# KiCad board B1_panel.kicad_pcb
title: Kleinvoet; date: 2023-07-04; rev: ${PROJECT_REV}; company: Department of Electrical and Electronic Engineering - Stellenbosch University; note: Digital Signal Processing Laboratory; note: Author: CM Geldenhuys <cmgeldenhuys@sun.ac.za>; note: Project: Kleinvoet; note: License: CERN-OHL-S-2.0
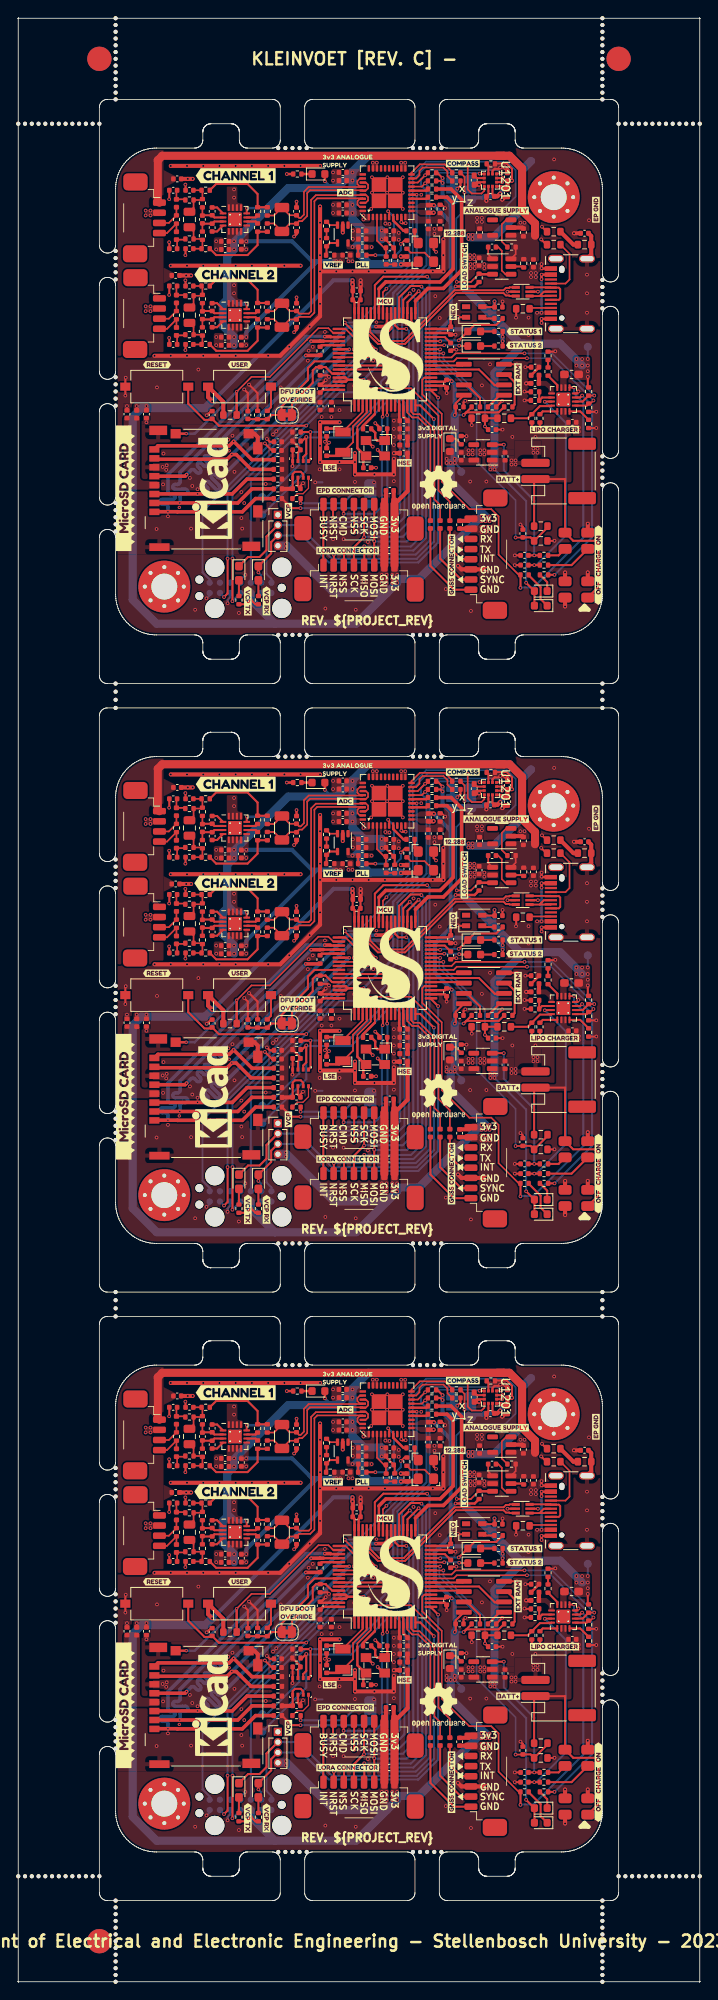
[diagram p0: board, top side]
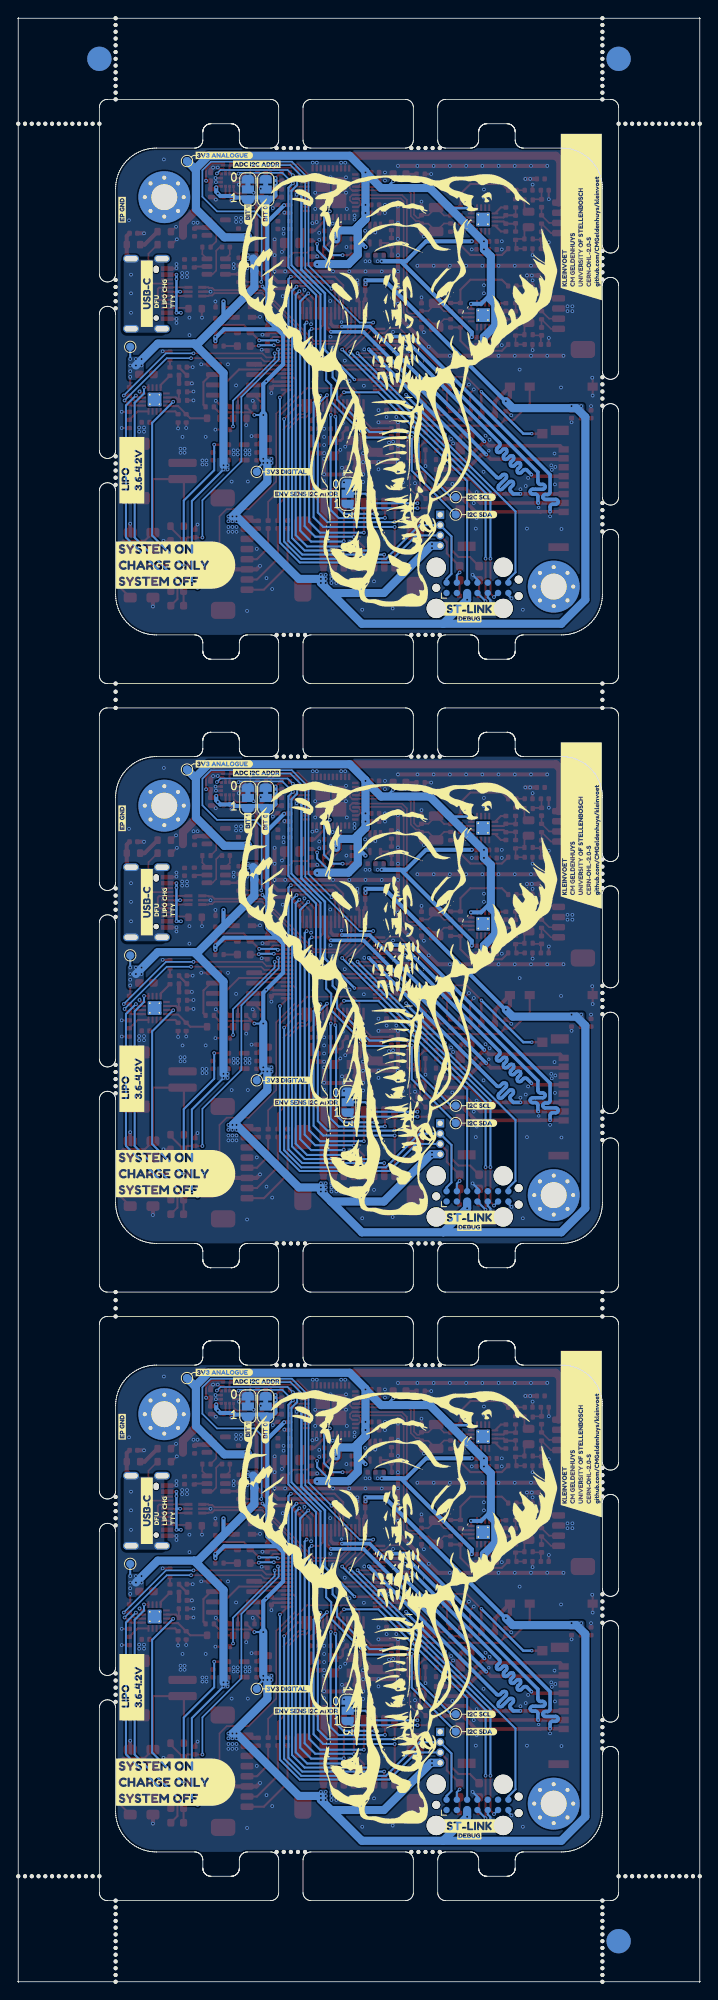
[diagram p1: board, bottom side, seen from below]

Outline 84 x 242 mm; copper layers: Top, In1.Cu, In2.Cu, Bottom. Coordinates in mm from the lower left corner of the outline.
Stack: Top 0.036mm / dielectric 0.07mm PrePreg1080 er 4.2 / dielectric 0.186mm PrePreg7628 er 4.2 / In1.Cu 0.035mm / dielectric 0.93mm NY2150 er 4.2 / In2.Cu 0.035mm / dielectric 0.186mm PrePreg7628 er 4.2 / dielectric 0.07mm PrePreg1080 er 4.2 / Bottom 0.036mm

## Placement (name value [footprint] x y rotation side)
B1  -  [Board]  19.4 226 0 top
B1#2  -  [Board]  19.4 76 0 top
B1#3  -  [Board]  19.4 151 0 top
C101  10u  [C_0402_1005Metric]  53.3 51.5 270 top
C101#2  10u  [C_0402_1005Metric]  53.3 201.5 270 top
C101#3  10u  [C_0402_1005Metric]  53.3 126.5 270 top
C102  15p  [C_0402_1005Metric]  43.01 36.6 0 top
C102#2  15p  [C_0402_1005Metric]  43.01 186.6 0 top
C102#3  15p  [C_0402_1005Metric]  43.01 111.6 0 top
C103  10u  [C_0402_1005Metric]  37.2 44.2 270 top
C103#2  10u  [C_0402_1005Metric]  37.2 119.2 270 top
C103#3  10u  [C_0402_1005Metric]  37.2 194.2 270 top
C104  15p  [C_0402_1005Metric]  45 116.4 180 top
C104#2  15p  [C_0402_1005Metric]  45 41.4 180 top
C104#3  15p  [C_0402_1005Metric]  45 191.4 180 top
C105  4p  [C_0402_1005Metric]  38.01 38.55 90 top
C105#2  4p  [C_0402_1005Metric]  38.01 188.55 90 top
C105#3  4p  [C_0402_1005Metric]  38.01 113.55 90 top
C106  4p  [C_0402_1005Metric]  38.01 40.95 270 top
C106#2  4p  [C_0402_1005Metric]  38.01 190.95 270 top
C106#3  4p  [C_0402_1005Metric]  38.01 115.95 270 top
C107  10u  [C_0402_1005Metric]  41.72 58.4 0 top
C107#2  10u  [C_0402_1005Metric]  41.72 133.4 0 top
C107#3  10u  [C_0402_1005Metric]  41.72 208.4 0 top
C201  1u  [C_0402_1005Metric]  15.8 118.2 270 top
C201#2  1u  [C_0402_1005Metric]  15.8 193.2 270 top
C201#3  1u  [C_0402_1005Metric]  15.8 43.2 270 top
C202  10u  [C_0402_1005Metric]  13.4 193.2 90 top
C202#2  10u  [C_0402_1005Metric]  13.4 118.2 90 top
C202#3  10u  [C_0402_1005Metric]  13.4 43.2 90 top
C203  3.9n  [C_0402_1005Metric]  69.8 65.5 180 top
C203#2  3.9n  [C_0402_1005Metric]  69.8 140.5 180 top
C203#3  3.9n  [C_0402_1005Metric]  69.8 215.5 180 top
C204  1u  [C_0402_1005Metric]  31.98 113.73 180 top
C204#2  1u  [C_0402_1005Metric]  31.98 38.73 180 top
C204#3  1u  [C_0402_1005Metric]  31.98 188.73 180 top
C205  10u  [C_0402_1005Metric]  45.8 33.8 180 top
C205#2  10u  [C_0402_1005Metric]  45.8 108.8 180 top
C205#3  10u  [C_0402_1005Metric]  45.8 183.8 180 top
C206  10u  [C_0402_1005Metric]  45.7 26.4 180 top
C206#2  10u  [C_0402_1005Metric]  45.7 101.4 180 top
C206#3  10u  [C_0402_1005Metric]  45.7 176.4 180 top
C306  10u  [C_0402_1005Metric]  54.4 29.58 270 top
C306#2  10u  [C_0402_1005Metric]  54.4 104.58 270 top
C306#3  10u  [C_0402_1005Metric]  54.4 179.58 270 top
C401  10u  [C_0402_1005Metric]  40 72 180 top
C401#2  10u  [C_0402_1005Metric]  40 222 180 top
C401#3  10u  [C_0402_1005Metric]  40 147 180 top
C402  10u  [C_0402_1005Metric]  40 144 180 top
C402#2  10u  [C_0402_1005Metric]  40 69 180 top
C402#3  10u  [C_0402_1005Metric]  40 219 180 top
C403  10u  [C_0402_1005Metric]  45.8 139.8 0 top
C403#2  10u  [C_0402_1005Metric]  45.8 214.8 0 top
C403#3  10u  [C_0402_1005Metric]  45.8 64.8 0 top
C404  10u  [C_0402_1005Metric]  40.45 137.8 0 top
C404#2  10u  [C_0402_1005Metric]  40.45 212.8 0 top
C404#3  10u  [C_0402_1005Metric]  40.45 62.8 0 top
C405  100n  [C_0402_1005Metric]  40 223 180 top
C405#2  100n  [C_0402_1005Metric]  40 148 180 top
C405#3  100n  [C_0402_1005Metric]  40 73 180 top
C406  100n  [C_0402_1005Metric]  40 68 180 top
C406#2  100n  [C_0402_1005Metric]  40 218 180 top
C406#3  100n  [C_0402_1005Metric]  40 143 180 top
C407  100n  [C_0402_1005Metric]  45.8 140.8 0 top
C407#2  100n  [C_0402_1005Metric]  45.8 215.8 0 top
C407#3  100n  [C_0402_1005Metric]  45.8 65.8 0 top
C408  100n  [C_0402_1005Metric]  50.55 218.5 270 top
C408#2  100n  [C_0402_1005Metric]  50.55 143.5 270 top
C408#3  100n  [C_0402_1005Metric]  50.55 68.5 270 top
C409  10u  [C_0402_1005Metric]  42.4 139.8 180 top
C409#2  10u  [C_0402_1005Metric]  42.4 214.8 180 top
C409#3  10u  [C_0402_1005Metric]  42.4 64.8 180 top
C410  100n  [C_0402_1005Metric]  42.4 140.8 180 top
C410#2  100n  [C_0402_1005Metric]  42.4 65.8 180 top
C410#3  100n  [C_0402_1005Metric]  42.4 215.8 180 top
C411  10u  [C_0402_1005Metric]  50.54 66.51 270 top
C411#2  10u  [C_0402_1005Metric]  50.54 216.51 270 top
C411#3  10u  [C_0402_1005Metric]  50.54 141.51 270 top
C412  100n  [C_0402_1005Metric]  52 141.51 270 top
C412#2  100n  [C_0402_1005Metric]  52 66.51 270 top
C412#3  100n  [C_0402_1005Metric]  52 216.51 270 top
C413  5.6n  [C_0402_1005Metric]  45.35 212.15 270 top
C413#2  5.6n  [C_0402_1005Metric]  45.35 137.15 270 top
C413#3  5.6n  [C_0402_1005Metric]  45.35 62.15 270 top
C414  390p  [C_0402_1005Metric]  45.8 213.7 0 top
C414#2  390p  [C_0402_1005Metric]  45.8 138.7 0 top
C414#3  390p  [C_0402_1005Metric]  45.8 63.7 0 top
C415  100n  [C_0402_1005Metric]  42.4 138.8 0 top
C415#2  100n  [C_0402_1005Metric]  42.4 63.8 0 top
C415#3  100n  [C_0402_1005Metric]  42.4 213.8 0 top
C416  10u  [C_0402_1005Metric]  19.4 135.3 0 top
C416#2  10u  [C_0402_1005Metric]  19.4 210.3 0 top
C416#3  10u  [C_0402_1005Metric]  19.4 60.3 0 top
C417  10u  [C_0402_1005Metric]  19.6 147.2 0 top
C417#2  10u  [C_0402_1005Metric]  19.6 222.2 0 top
C417#3  10u  [C_0402_1005Metric]  19.6 72.2 0 top
C501  220p  [C_0402_1005Metric]  19.1 220.8 180 top
C501#2  220p  [C_0402_1005Metric]  19.1 145.8 180 top
C501#3  220p  [C_0402_1005Metric]  19.1 70.8 180 top
C502  220p  [C_0402_1005Metric]  19.1 213.6 0 top
C502#2  220p  [C_0402_1005Metric]  19.1 63.6 0 top
C502#3  220p  [C_0402_1005Metric]  19.1 138.6 0 top
C601  220p  [C_0402_1005Metric]  19.1 134 180 top
C601#2  220p  [C_0402_1005Metric]  19.1 209 180 top
C601#3  220p  [C_0402_1005Metric]  19.1 59 180 top
C602  220p  [C_0402_1005Metric]  19.1 51.8 0 top
C602#2  220p  [C_0402_1005Metric]  19.1 126.8 0 top
C602#3  220p  [C_0402_1005Metric]  19.1 201.8 0 top
C701  220p  [C_0402_1005Metric]  21.1 63.6 180 top
C701#2  220p  [C_0402_1005Metric]  21.1 138.6 180 top
C701#3  220p  [C_0402_1005Metric]  21.1 213.6 180 top
C702  220p  [C_0402_1005Metric]  21.1 145.8 180 top
C702#2  220p  [C_0402_1005Metric]  21.1 220.8 180 top
C702#3  220p  [C_0402_1005Metric]  21.1 70.8 180 top
C703  27n  [C_0805_2012Metric]  21.1 217.2 270 top
C703#2  27n  [C_0805_2012Metric]  21.1 142.2 270 top
C703#3  27n  [C_0805_2012Metric]  21.1 67.2 270 top
C704  PH/DNP  [C_0402_1005Metric]  22.7 142.2 270 top
C704#2  PH/DNP  [C_0402_1005Metric]  22.7 217.2 270 top
C704#3  PH/DNP  [C_0402_1005Metric]  22.7 67.2 270 top
C705  1u  [C_0402_1005Metric]  27.5 214 270 top
C705#2  1u  [C_0402_1005Metric]  27.5 139 270 top
C705#3  1u  [C_0402_1005Metric]  27.5 64 270 top
C706  3.9n  [C_0402_1005Metric]  23.9 141.2 90 top
C706#2  3.9n  [C_0402_1005Metric]  23.9 66.2 90 top
C706#3  3.9n  [C_0402_1005Metric]  23.9 216.2 90 top
C707  3.9n  [C_0402_1005Metric]  23.9 143.2 270 top
C707#2  3.9n  [C_0402_1005Metric]  23.9 218.2 270 top
C707#3  3.9n  [C_0402_1005Metric]  23.9 68.2 270 top
C708  100n  [C_0402_1005Metric]  25.5 64.5 0 top
C708#2  100n  [C_0402_1005Metric]  25.5 214.5 0 top
C708#3  100n  [C_0402_1005Metric]  25.5 139.5 0 top
C709  10n  [C_0402_1005Metric]  34.3 216.2 90 top
C709#2  10n  [C_0402_1005Metric]  34.3 141.2 90 top
C709#3  10n  [C_0402_1005Metric]  34.3 66.2 90 top
C710  100n  [C_1206_3216Metric]  32.5 67.2 90 top
C710#2  100n  [C_1206_3216Metric]  32.5 217.2 90 top
C710#3  100n  [C_1206_3216Metric]  32.5 142.2 90 top
C711  10n  [C_0402_1005Metric]  34.3 68.2 90 top
C711#2  10n  [C_0402_1005Metric]  34.3 143.2 90 top
C711#3  10n  [C_0402_1005Metric]  34.3 218.2 90 top
C712  1u  [C_0402_1005Metric]  25.5 138.5 180 top
C712#2  1u  [C_0402_1005Metric]  25.5 63.5 180 top
C712#3  1u  [C_0402_1005Metric]  25.5 213.5 180 top
C801  220p  [C_0402_1005Metric]  21.1 126.8 180 top
C801#2  220p  [C_0402_1005Metric]  21.1 51.8 180 top
C801#3  220p  [C_0402_1005Metric]  21.1 201.8 180 top
C802  220p  [C_0402_1005Metric]  21.1 59 180 top
C802#2  220p  [C_0402_1005Metric]  21.1 209 180 top
C802#3  220p  [C_0402_1005Metric]  21.1 134 180 top
C803  27n  [C_0805_2012Metric]  21.1 55.4 270 top
C803#2  27n  [C_0805_2012Metric]  21.1 205.4 270 top
C803#3  27n  [C_0805_2012Metric]  21.1 130.4 270 top
C804  PH/DNP  [C_0402_1005Metric]  22.7 205.4 270 top
C804#2  PH/DNP  [C_0402_1005Metric]  22.7 55.4 270 top
C804#3  PH/DNP  [C_0402_1005Metric]  22.7 130.4 270 top
C805  1u  [C_0402_1005Metric]  27.5 52.2 270 top
C805#2  1u  [C_0402_1005Metric]  27.5 127.2 270 top
C805#3  1u  [C_0402_1005Metric]  27.5 202.2 270 top
C806  3.9n  [C_0402_1005Metric]  23.9 129.4 90 top
C806#2  3.9n  [C_0402_1005Metric]  23.9 204.4 90 top
C806#3  3.9n  [C_0402_1005Metric]  23.9 54.4 90 top
C807  3.9n  [C_0402_1005Metric]  23.9 206.4 270 top
C807#2  3.9n  [C_0402_1005Metric]  23.9 131.4 270 top
C807#3  3.9n  [C_0402_1005Metric]  23.9 56.4 270 top
C808  100n  [C_0402_1005Metric]  25.5 127.7 0 top
C808#2  100n  [C_0402_1005Metric]  25.5 202.7 0 top
C808#3  100n  [C_0402_1005Metric]  25.5 52.7 0 top
C809  10n  [C_0402_1005Metric]  34.3 54.4 90 top
C809#2  10n  [C_0402_1005Metric]  34.3 204.4 90 top
C809#3  10n  [C_0402_1005Metric]  34.3 129.4 90 top
C810  100n  [C_1206_3216Metric]  32.5 130.4 90 top
C810#2  100n  [C_1206_3216Metric]  32.5 55.4 90 top
C810#3  100n  [C_1206_3216Metric]  32.5 205.4 90 top
C811  10n  [C_0402_1005Metric]  34.3 56.4 90 top
C811#2  10n  [C_0402_1005Metric]  34.3 131.4 90 top
C811#3  10n  [C_0402_1005Metric]  34.3 206.4 90 top
C812  1u  [C_0402_1005Metric]  25.5 126.7 180 top
C812#2  1u  [C_0402_1005Metric]  25.5 51.7 180 top
C812#3  1u  [C_0402_1005Metric]  25.5 201.7 180 top
C901  1u  [C_0402_1005Metric]  47.5 113.4 180 top
C901#2  1u  [C_0402_1005Metric]  47.5 188.4 180 top
C901#3  1u  [C_0402_1005Metric]  47.5 38.4 180 top
C902  1u  [C_0402_1005Metric]  47.5 40.4 180 top
C902#2  1u  [C_0402_1005Metric]  47.5 115.4 180 top
C902#3  1u  [C_0402_1005Metric]  47.5 190.4 180 top
C903  10u  [C_0402_1005Metric]  68.3 117.2 0 top
C903#2  10u  [C_0402_1005Metric]  68.3 192.2 0 top
C903#3  10u  [C_0402_1005Metric]  68.3 42.2 0 top
C904  10u  [C_0402_1005Metric]  63.7 49 180 top
C904#2  10u  [C_0402_1005Metric]  63.7 124 180 top
C904#3  10u  [C_0402_1005Metric]  63.7 199 180 top
C905  1u  [C_0402_1005Metric]  62.26 140.6 90 top
C905#2  1u  [C_0402_1005Metric]  62.26 65.6 90 top
C905#3  1u  [C_0402_1005Metric]  62.26 215.6 90 top
C906  1u  [C_0402_1005Metric]  60 113 90 top
C906#2  1u  [C_0402_1005Metric]  60 38 90 top
C906#3  1u  [C_0402_1005Metric]  60 188 90 top
C907  10u  [C_0402_1005Metric]  56.8 212 270 top
C907#2  10u  [C_0402_1005Metric]  56.8 62 270 top
C907#3  10u  [C_0402_1005Metric]  56.8 137 270 top
C908  10u  [C_0402_1005Metric]  63.7 197 180 top
C908#2  10u  [C_0402_1005Metric]  63.7 47 180 top
C908#3  10u  [C_0402_1005Metric]  63.7 122 180 top
C909  10u  [C_0402_1005Metric]  54.6 188 90 top
C909#2  10u  [C_0402_1005Metric]  54.6 113 90 top
C909#3  10u  [C_0402_1005Metric]  54.6 38 90 top
C910  10u  [C_0402_1005Metric]  56.86 65.6 90 top
C910#2  10u  [C_0402_1005Metric]  56.86 140.6 90 top
C910#3  10u  [C_0402_1005Metric]  56.86 215.6 90 top
C911  1u  [C_0402_1005Metric]  63.5 211.8 270 top
C911#2  1u  [C_0402_1005Metric]  63.5 61.8 270 top
C911#3  1u  [C_0402_1005Metric]  63.5 136.8 270 top
C912  2.7n  [C_0402_1005Metric]  58.4 138.8 180 top
C912#2  2.7n  [C_0402_1005Metric]  58.4 213.8 180 top
C912#3  2.7n  [C_0402_1005Metric]  58.4 63.8 180 top
C1201  220n  [C_0402_1005Metric_Pad0.74x0.62mm_HandSolder]  56.2 147.05 90 top
C1201#2  220n  [C_0402_1005Metric_Pad0.74x0.62mm_HandSolder]  56.2 72.05 90 top
C1201#3  220n  [C_0402_1005Metric_Pad0.74x0.62mm_HandSolder]  56.2 222.05 90 top
C1202  1u  [C_0402_1005Metric]  60.3 72.45 90 top
C1202#2  1u  [C_0402_1005Metric]  60.3 147.45 90 top
C1202#3  1u  [C_0402_1005Metric]  60.3 222.45 90 top
CB101  100n  [C_0402_1005Metric]  53.3 53.5 270 top
CB101#2  100n  [C_0402_1005Metric]  53.3 128.5 270 top
CB101#3  100n  [C_0402_1005Metric]  53.3 203.5 270 top
CB102  100n  [C_0402_1005Metric]  23.9 118.1 90 top
CB102#2  100n  [C_0402_1005Metric]  23.9 43.1 90 top
CB102#3  100n  [C_0402_1005Metric]  23.9 193.1 90 top
CB103  100n  [C_0402_1005Metric]  37.21 46.35 90 top
CB103#2  100n  [C_0402_1005Metric]  37.21 196.35 90 top
CB103#3  100n  [C_0402_1005Metric]  37.21 121.35 90 top
CB104  100n  [C_0402_1005Metric]  52.8 121.95 270 top
CB104#2  100n  [C_0402_1005Metric]  52.8 196.95 270 top
CB104#3  100n  [C_0402_1005Metric]  52.8 46.95 270 top
CB105  100n  [C_0402_1005Metric]  41.7 132.3 0 top
CB105#2  100n  [C_0402_1005Metric]  41.7 57.3 0 top
CB105#3  100n  [C_0402_1005Metric]  41.7 207.3 0 top
CB106  100n  [C_0402_1005Metric]  38.6 119.2 270 top
CB106#2  100n  [C_0402_1005Metric]  38.6 194.2 270 top
CB106#3  100n  [C_0402_1005Metric]  38.6 44.2 270 top
CB107  100n  [C_0402_1005Metric]  28.3 43.1 270 top
CB107#2  100n  [C_0402_1005Metric]  28.3 118.1 270 top
CB107#3  100n  [C_0402_1005Metric]  28.3 193.1 270 top
CB108  100n  [C_0402_1005Metric]  59.2 131.4 0 top
CB108#2  100n  [C_0402_1005Metric]  59.2 206.4 0 top
CB108#3  100n  [C_0402_1005Metric]  59.2 56.4 0 top
CB201  100n  [C_0402_1005Metric]  32 114.8 180 top
CB201#2  100n  [C_0402_1005Metric]  32 189.8 180 top
CB201#3  100n  [C_0402_1005Metric]  32 39.8 180 top
CB401  100n  [C_0402_1005Metric]  47.9 137.15 90 top
CB401#2  100n  [C_0402_1005Metric]  47.9 212.15 90 top
CB401#3  100n  [C_0402_1005Metric]  47.9 62.15 90 top
CB901  100n  [C_0402_1005Metric]  47.5 191.4 180 top
CB901#2  100n  [C_0402_1005Metric]  47.5 116.4 180 top
CB901#3  100n  [C_0402_1005Metric]  47.5 41.4 180 top
CB902  10n  [C_0402_1005Metric]  47.5 117.4 180 top
CB902#2  10n  [C_0402_1005Metric]  47.5 192.4 180 top
CB902#3  10n  [C_0402_1005Metric]  47.5 42.4 180 top
CB903  100n  [C_0402_1005Metric]  62.4 99.6 180 top
CB903#2  100n  [C_0402_1005Metric]  62.4 174.6 180 top
CB903#3  100n  [C_0402_1005Metric]  62.4 24.6 180 top
CB904  100n  [C_0402_1005Metric]  62.4 175.8 180 top
CB904#2  100n  [C_0402_1005Metric]  62.4 100.8 180 top
CB904#3  100n  [C_0402_1005Metric]  62.4 25.8 180 top
CB906  100n  [C_0402_1005Metric]  62.2 178.5 90 top
CB906#2  100n  [C_0402_1005Metric]  62.2 28.5 90 top
CB906#3  100n  [C_0402_1005Metric]  62.2 103.5 90 top
CB907  100n  [C_0402_1005Metric]  58.4 41.3 0 top
CB907#2  100n  [C_0402_1005Metric]  58.4 191.3 0 top
CB907#3  100n  [C_0402_1005Metric]  58.4 116.3 0 top
CB1201  100n  [C_0402_1005Metric]  60.3 220.45 270 top
CB1201#2  100n  [C_0402_1005Metric]  60.3 145.45 270 top
CB1201#3  100n  [C_0402_1005Metric]  60.3 70.45 270 top
CB1202  100n  [C_0402_1005Metric]  58.2 70.05 180 top
CB1202#2  100n  [C_0402_1005Metric]  58.2 145.05 180 top
CB1202#3  100n  [C_0402_1005Metric]  58.2 220.05 180 top
CB1301  100n  [C_0402_1005Metric]  54.4 44.1 0 top
CB1301#2  100n  [C_0402_1005Metric]  54.4 119.1 0 top
CB1301#3  100n  [C_0402_1005Metric]  54.4 194.1 0 top
CB1409  100n  [C_0402_1005Metric]  34.3 184.03 0 top
CB1409#2  100n  [C_0402_1005Metric]  34.3 109.03 0 top
CB1409#3  100n  [C_0402_1005Metric]  34.3 34.03 0 top
CB1410  100n  [C_0402_1005Metric]  34.3 113.8 180 top
CB1410#2  100n  [C_0402_1005Metric]  34.3 38.8 180 top
CB1410#3  100n  [C_0402_1005Metric]  34.3 188.8 180 top
D101  GREEN  [LED_0603_1608Metric_Pad1.05x0.95mm_HandSolder]  29.6 98.6 270 top
D101#2  GREEN  [LED_0603_1608Metric_Pad1.05x0.95mm_HandSolder]  29.6 173.6 270 top
D101#3  GREEN  [LED_0603_1608Metric_Pad1.05x0.95mm_HandSolder]  29.6 23.6 270 top
D102  ORANGE  [LED_0603_1608Metric_Pad1.05x0.95mm_HandSolder]  27.2 173.6 270 top
D102#2  ORANGE  [LED_0603_1608Metric_Pad1.05x0.95mm_HandSolder]  27.2 23.6 270 top
D102#3  ORANGE  [LED_0603_1608Metric_Pad1.05x0.95mm_HandSolder]  27.2 98.6 270 top
D103  BLUE  [LED_0603_1608Metric]  56.2 128.4 0 top
D103#2  BLUE  [LED_0603_1608Metric]  56.2 53.4 0 top
D103#3  BLUE  [LED_0603_1608Metric]  56.2 203.4 0 top
D104  ORANGE  [LED_0603_1608Metric]  56.2 51.6 0 top
D104#2  ORANGE  [LED_0603_1608Metric]  56.2 201.6 0 top
D104#3  ORANGE  [LED_0603_1608Metric]  56.2 126.6 0 top
D105  SK6805  [LED_SK6805_PLCC4_2.4x2.7mm_P1.3mm]  56.2 130.8 0 top
D105#2  SK6805  [LED_SK6805_PLCC4_2.4x2.7mm_P1.3mm]  56.2 205.8 0 top
D105#3  SK6805  [LED_SK6805_PLCC4_2.4x2.7mm_P1.3mm]  56.2 55.8 0 top
D901  PWR_VBUS  [LED_0603_1608Metric]  64.41 96.4 180 top
D901#2  PWR_VBUS  [LED_0603_1608Metric]  64.41 171.4 180 top
D901#3  PWR_VBUS  [LED_0603_1608Metric]  64.41 21.4 180 top
D902  CHG_ORANGE  [LED_0603_1608Metric]  64.41 19.6 180 top
D902#2  CHG_ORANGE  [LED_0603_1608Metric]  64.41 169.6 180 top
D902#3  CHG_ORANGE  [LED_0603_1608Metric]  64.41 94.6 180 top
D903  PWR_AVCC  [LED_0603_1608Metric]  37 147.8 0 top
D903#2  PWR_AVCC  [LED_0603_1608Metric]  37 222.8 0 top
D903#3  PWR_AVCC  [LED_0603_1608Metric]  37 72.8 0 top
D904  PWR_DVCC  [LED_0603_1608Metric]  53.2 189.4 270 top
D904#2  PWR_DVCC  [LED_0603_1608Metric]  53.2 39.4 270 top
D904#3  PWR_DVCC  [LED_0603_1608Metric]  53.2 114.4 270 top
F901  400mA  [Fuse_0603_1608Metric_Pad1.05x0.95mm_HandSolder]  68.2 123.1 0 top
F901#2  400mA  [Fuse_0603_1608Metric_Pad1.05x0.95mm_HandSolder]  68.2 48.1 0 top
F901#3  400mA  [Fuse_0603_1608Metric_Pad1.05x0.95mm_HandSolder]  68.2 198.1 0 top
FB101  100@100MHz  [L_0402_1005Metric]  50.8 29.6 90 top
FB101#2  100@100MHz  [L_0402_1005Metric]  50.8 104.6 90 top
FB101#3  100@100MHz  [L_0402_1005Metric]  50.8 179.6 90 top
FB102  100@100MHz  [L_0402_1005Metric]  52 179.6 90 top
FB102#2  100@100MHz  [L_0402_1005Metric]  52 104.6 90 top
FB102#3  100@100MHz  [L_0402_1005Metric]  52 29.6 90 top
FB201  100@100MHz  [L_0402_1005Metric]  14.6 193.2 270 top
FB201#2  100@100MHz  [L_0402_1005Metric]  14.6 43.2 270 top
FB201#3  100@100MHz  [L_0402_1005Metric]  14.6 118.2 270 top
FB304  100@100MHz  [L_0402_1005Metric]  53.2 179.6 270 top
FB304#2  100@100MHz  [L_0402_1005Metric]  53.2 29.6 270 top
FB304#3  100@100MHz  [L_0402_1005Metric]  53.2 104.6 270 top
FB501  1k@100MHz  [L_0402_1005Metric]  19.5 219.2 90 top
FB501#2  1k@100MHz  [L_0402_1005Metric]  19.5 144.2 90 top
FB501#3  1k@100MHz  [L_0402_1005Metric]  19.5 69.2 90 top
FB502  1k@100MHz  [L_0402_1005Metric]  19.5 215.2 270 top
FB502#2  1k@100MHz  [L_0402_1005Metric]  19.5 140.2 270 top
FB502#3  1k@100MHz  [L_0402_1005Metric]  19.5 65.2 270 top
FB601  1k@100MHz  [L_0402_1005Metric]  19.5 132.4 90 top
FB601#2  1k@100MHz  [L_0402_1005Metric]  19.5 57.4 90 top
FB601#3  1k@100MHz  [L_0402_1005Metric]  19.5 207.4 90 top
FB602  1k@100MHz  [L_0402_1005Metric]  19.5 128.4 270 top
FB602#2  1k@100MHz  [L_0402_1005Metric]  19.5 203.4 270 top
FB602#3  1k@100MHz  [L_0402_1005Metric]  19.5 53.4 270 top
FB901  100@100MHz  [L_0402_1005Metric]  47.5 189.4 0 top
FB901#2  100@100MHz  [L_0402_1005Metric]  47.5 39.4 0 top
FB901#3  100@100MHz  [L_0402_1005Metric]  47.5 114.4 0 top
FB903  100@100MHz  [L_0402_1005Metric]  63.7 123 0 top
FB903#2  100@100MHz  [L_0402_1005Metric]  63.7 198 0 top
FB903#3  100@100MHz  [L_0402_1005Metric]  63.7 48 0 top
G***  LOGO  [Oliver_SilkScreen]  38.1 46.1 180 bottom
G***#2  LOGO  [Oliver_SilkScreen]  38.1 196.1 180 bottom
G***#3  LOGO  [Oliver_SilkScreen]  38.1 121.1 180 bottom
H201  MountingHole_Pad  [MountingHole_3.2mm_M3_Pad_Via]  66 144.95 0 top
H201#2  MountingHole_Pad  [MountingHole_3.2mm_M3_Pad_Via]  66 69.95 0 top
H201#3  MountingHole_Pad  [MountingHole_3.2mm_M3_Pad_Via]  66 219.95 0 top
H202  MountingHole_Pad  [MountingHole_3.2mm_M3_Pad_Via]  18 21.95 0 top
H202#2  MountingHole_Pad  [MountingHole_3.2mm_M3_Pad_Via]  18 96.95 0 top
H202#3  MountingHole_Pad  [MountingHole_3.2mm_M3_Pad_Via]  18 171.95 0 top
J201  JST-PH  [JST_PH_S2B-PH-SM4-TB_1x02-1MP_P2.00mm_Horizontal]  66.6 111.2 90 top
J201#2  JST-PH  [JST_PH_S2B-PH-SM4-TB_1x02-1MP_P2.00mm_Horizontal]  66.6 36.2 90 top
J201#3  JST-PH  [JST_PH_S2B-PH-SM4-TB_1x02-1MP_P2.00mm_Horizontal]  66.6 186.2 90 top
J202  TC2070-IDC-FP (DNP)  [Tag-Connect_TC2070-IDC-FP_2x07_P1.27mm_Vertical]  27.4 21.8 180 bottom
J202#2  TC2070-IDC-FP (DNP)  [Tag-Connect_TC2070-IDC-FP_2x07_P1.27mm_Vertical]  27.4 171.8 180 bottom
J202#3  TC2070-IDC-FP (DNP)  [Tag-Connect_TC2070-IDC-FP_2x07_P1.27mm_Vertical]  27.4 96.8 180 bottom
J203  Serial Interface  [PinHeader_1x04_P1.27mm_Vertical]  32 30.8 0 top
J203#2  Serial Interface  [PinHeader_1x04_P1.27mm_Vertical]  32 180.8 0 top
J203#3  Serial Interface  [PinHeader_1x04_P1.27mm_Vertical]  32 105.8 0 top
J204  Micro_SD_Card_Det2  [microSD_HC_Molex_5031821852]  16.15 26.34 90 top
J204#2  Micro_SD_Card_Det2  [microSD_HC_Molex_5031821852]  16.15 176.34 90 top
J204#3  Micro_SD_Card_Det2  [microSD_HC_Molex_5031821852]  16.15 101.34 90 top
J205  LORA_Conn  [Connector_Amphenol_10114828-xxx08LF_Vertical]  42 95.2 0 top
J205#2  LORA_Conn  [Connector_Amphenol_10114828-xxx08LF_Vertical]  42 170.2 0 top
J205#3  LORA_Conn  [Connector_Amphenol_10114828-xxx08LF_Vertical]  42 20.2 0 top
J206  USB_C_Receptacle_USB2.0  [USB_C_Recepetacle_JAE_DX07S016JA1]  67 133.05 90 top
J206#2  USB_C_Receptacle_USB2.0  [USB_C_Recepetacle_JAE_DX07S016JA1]  67 58.05 90 top
J206#3  USB_C_Receptacle_USB2.0  [USB_C_Recepetacle_JAE_DX07S016JA1]  67 208.05 90 top
J207  EPD_Conn  [Connector_Amphenol_10114828-xxx08LF_Vertical]  42 177.7 0 top
J207#2  EPD_Conn  [Connector_Amphenol_10114828-xxx08LF_Vertical]  42 102.7 0 top
J207#3  EPD_Conn  [Connector_Amphenol_10114828-xxx08LF_Vertical]  42 27.7 0 top
J301  GNSS_MAINBOARD_CONN  [Connector_Amphenol_10114828-xxx08LF_Vertical]  60.2 175.95 90 top
J301#2  GNSS_MAINBOARD_CONN  [Connector_Amphenol_10114828-xxx08LF_Vertical]  60.2 25.95 90 top
J301#3  GNSS_MAINBOARD_CONN  [Connector_Amphenol_10114828-xxx08LF_Vertical]  60.2 100.95 90 top
J501  Sensor_conn  [Connector_Amphenol_10114828-xxx04LF_Vertical]  13 142.4 270 top
J501#2  Sensor_conn  [Connector_Amphenol_10114828-xxx04LF_Vertical]  13 67.4 270 top
J501#3  Sensor_conn  [Connector_Amphenol_10114828-xxx04LF_Vertical]  13 217.4 270 top
J601  Sensor_conn  [Connector_Amphenol_10114828-xxx04LF_Vertical]  13 130.6 270 top
J601#2  Sensor_conn  [Connector_Amphenol_10114828-xxx04LF_Vertical]  13 205.6 270 top